# Altium PCB BEAGLEPLAYV020_220915.brd.PcbDoc (part 9 of 12)
Units mm, origin at the board's own origin, x right, y up, seen from the top; angles counter-clockwise.
Board outline 80 x 80 mm, 8 copper layers (TOP, LYR2_GND, LYR3, LAY4_PWR1, LAY5_PWR2, LAY6, LYR7_GND, BOTTOM), stack 1.545 mm thick; 782 components, 546 nets, 2864 pads, 2056 vias.
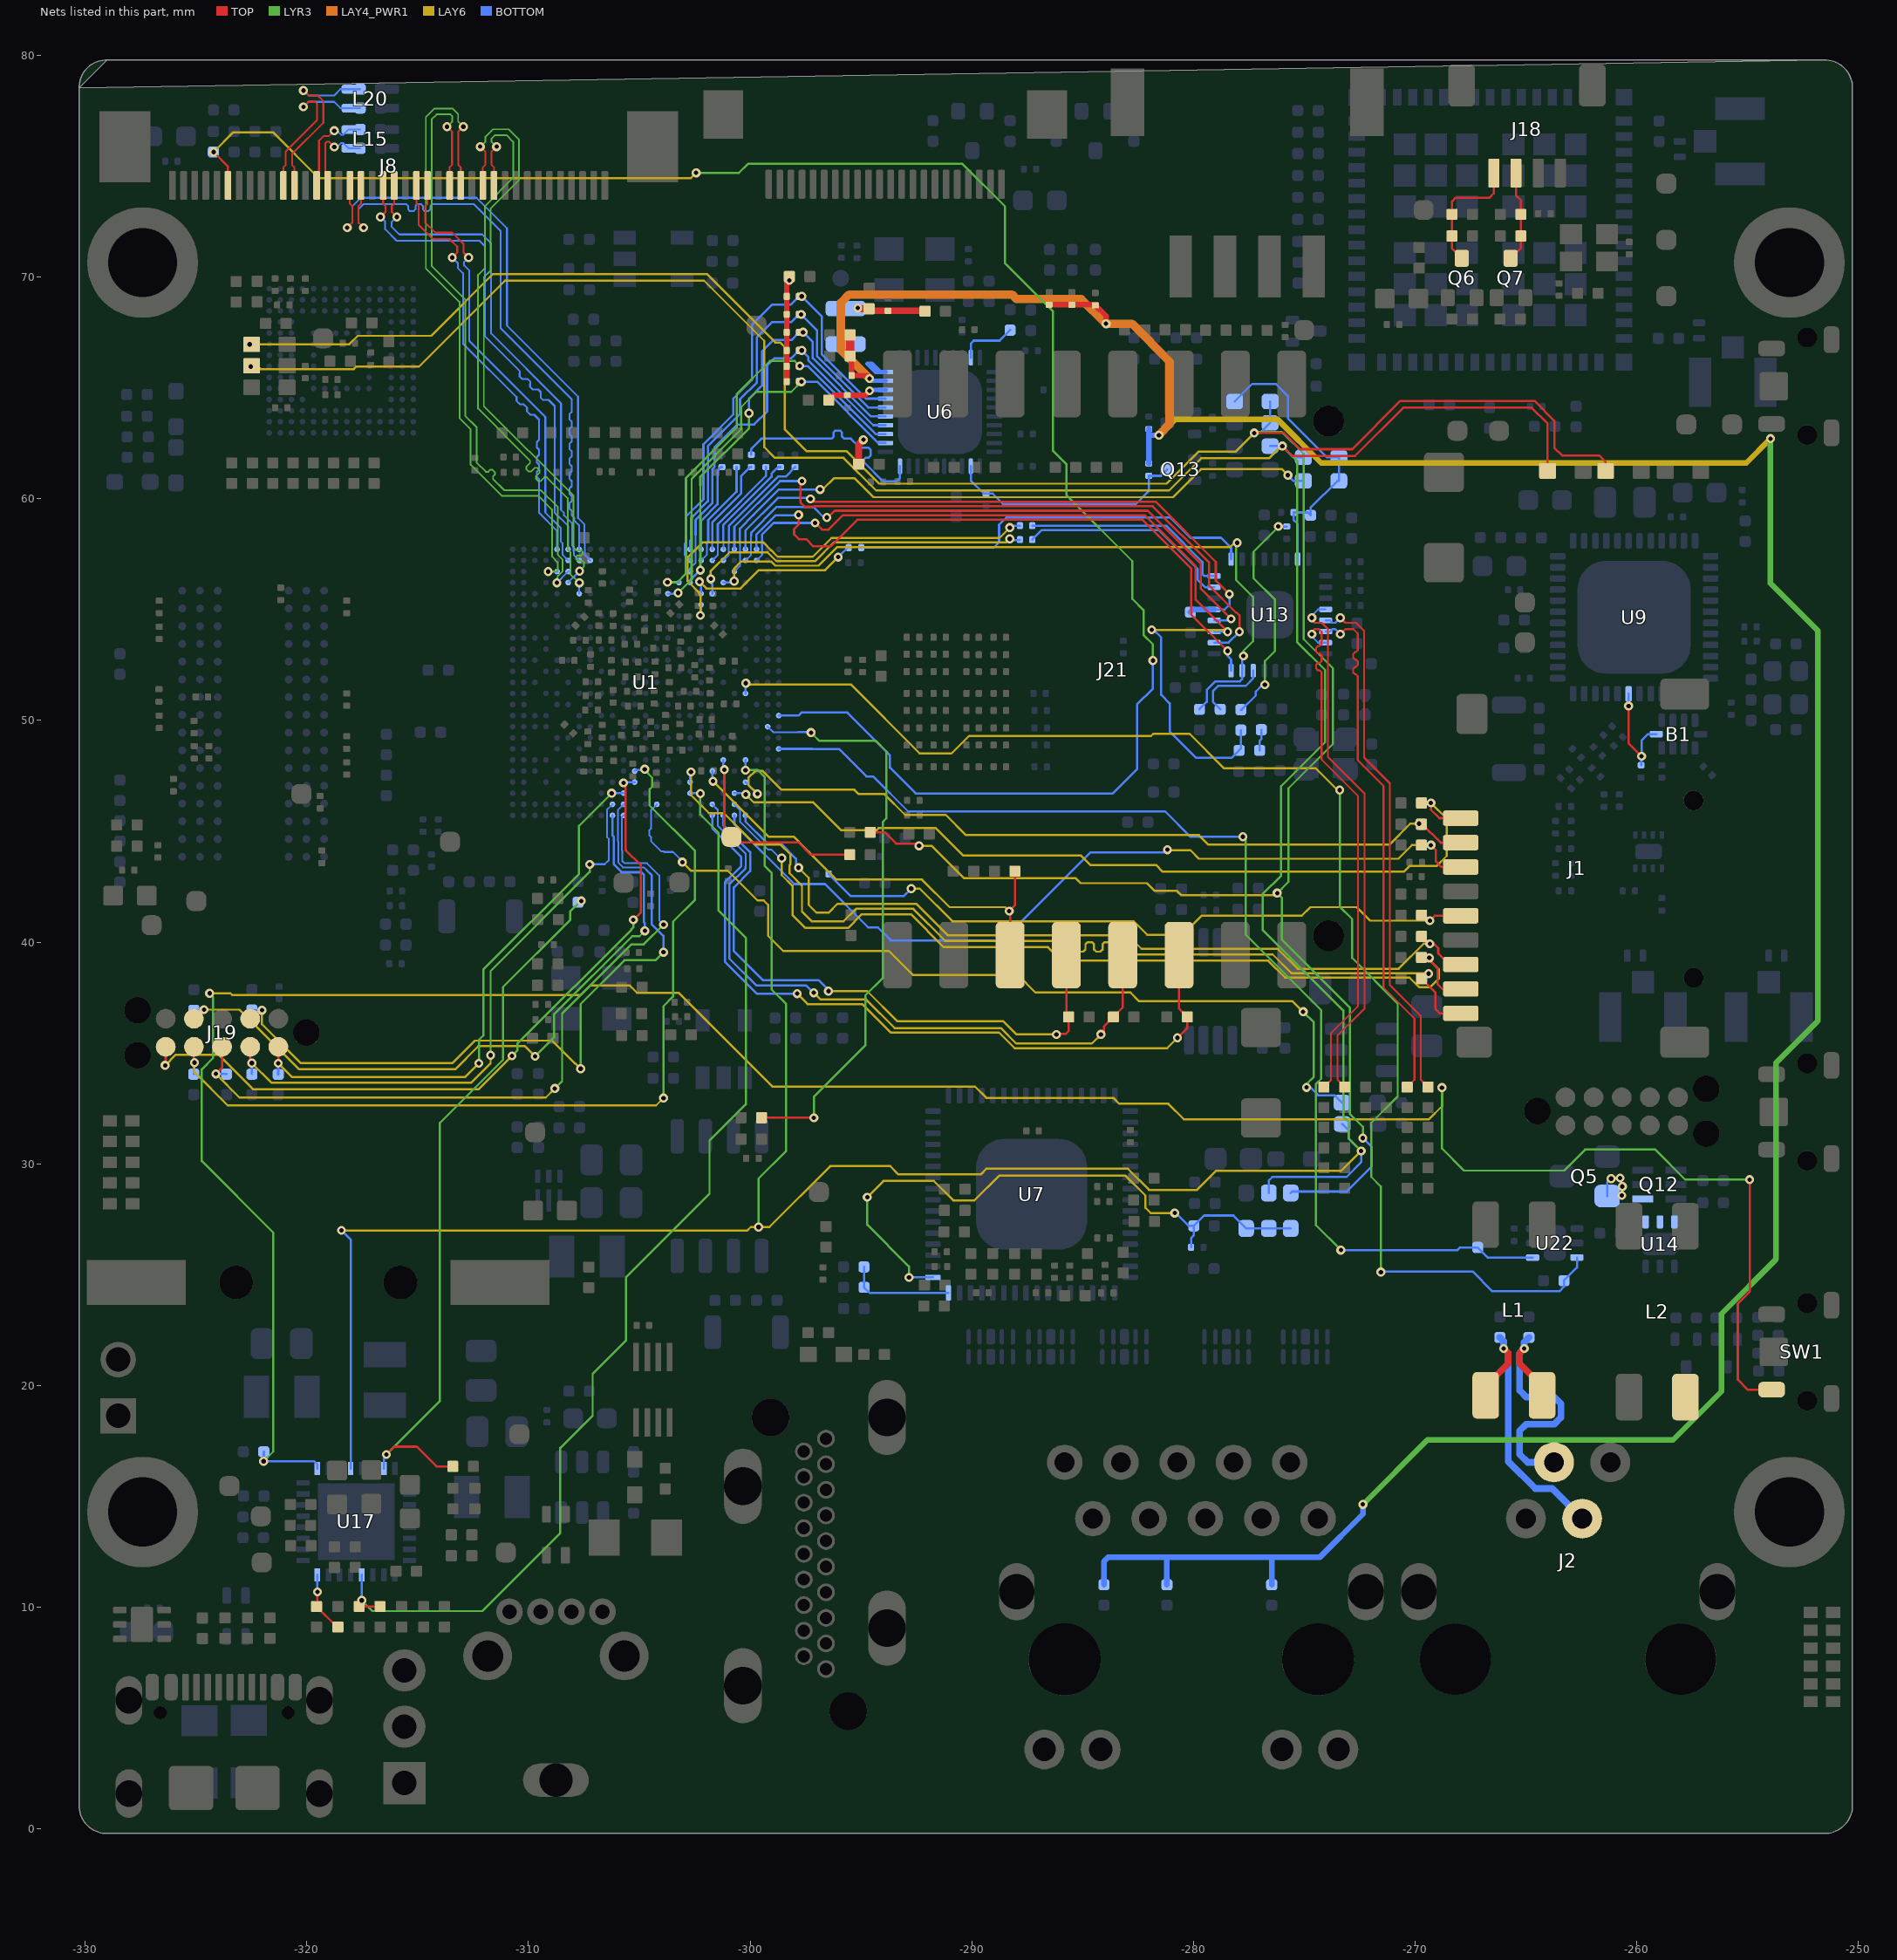
[diagram p15: the nets of this part, all layers, seen from the top]

## Via types
v1: diameter 0.406/0/0.406/0/0/0/0/0.406 (per signal layer), hole 0.203, TOP to BOTTOM, 334 vias
v2: diameter 0.406/0.406/0/0/0/0/0.406/0.406 (per signal layer), hole 0.203, TOP to BOTTOM, 282 vias
v3: diameter 0.406/0/0/0/0/0.406/0/0.406 (per signal layer), hole 0.203, TOP to BOTTOM, 255 vias
v4: diameter 0.406/0.406/0/0/0/0.406/0.406/0.406 (per signal layer), hole 0.203, TOP to BOTTOM, 253 vias
v5: diameter 0.406, hole 0.203, TOP to BOTTOM, 212 vias
v6: diameter 0.406/0.406/0.406/0/0/0.406/0.406/0.406 (per signal layer), hole 0.203, TOP to BOTTOM, 173 vias
v7: diameter 0.406/0/0/0.406/0/0/0/0.406 (per signal layer), hole 0.203, TOP to BOTTOM, 131 vias
v8: diameter 0.406/0/0/0/0.406/0/0/0.406 (per signal layer), hole 0.203, TOP to BOTTOM, 98 vias
v9: diameter 0.406/0.406/0/0.406/0/0/0.406/0.406 (per signal layer), hole 0.203, TOP to BOTTOM, 93 vias
v10: diameter 0.406/0/0.406/0/0/0.406/0/0.406 (per signal layer), hole 0.203, TOP to BOTTOM, 87 vias
v11: diameter 0.406/0.406/0/0.406/0/0.406/0.406/0.406 (per signal layer), hole 0.203, TOP to BOTTOM, 44 vias
v12: diameter 0.406/0.406/0.406/0.406/0/0.406/0.406/0.406 (per signal layer), hole 0.203, TOP to BOTTOM, 40 vias
v13: diameter 0.406/0.406/0.406/0/0/0/0.406/0.406 (per signal layer), hole 0.203, TOP to BOTTOM, 19 vias
v14: diameter 0.406/0/0/0.406/0/0.406/0/0.406 (per signal layer), hole 0.203, TOP to BOTTOM, 15 vias
v15: diameter 0.406/0/0/0/0.406/0.406/0/0.406 (per signal layer), hole 0.203, TOP to BOTTOM, 13 vias
v16: diameter 0.406/0/0.406/0/0.406/0/0/0.406 (per signal layer), hole 0.203, TOP to BOTTOM, 3 vias
v17: diameter 0.406/0/0.406/0.406/0/0/0/0.406 (per signal layer), hole 0.203, TOP to BOTTOM, 3 vias
v18: diameter 0.406/0.406/0.406/0.406/0/0/0.406/0.406 (per signal layer), hole 0.203, TOP to BOTTOM, 1 vias

## Nets (pads, with @x,y where several pads share a name; then routed paths per layer and width w, separated by ;. In a path a pad name is that pad's centre, name@x,y a point inside that pad or via, vN(x,y) a via of type N, cw(c..) or ccw(c..) an arc to the next point about the centre after c; other vN are vias at no path point) (continued)
OLDI0_A3_N: J8.12 U1.AB6 | length 27.7
  TOP w0.084: v1(-312.175,75.884) -311.95,75.659 -311.95,75.057 -312.056,74.95 J8.12@-312.056,74.131
  LYR3 w0.076: v1(-312.175,75.884) -311.937,76.122 -311.937,76.338 -311.61,76.665 -310.889,76.665 -310.431,76.207 -310.431,74.364 -311.701,73.094 -311.701,70.3 -312.014,69.988 -312.014,64.178 -307.97,60.135 -307.97,57.798 -307.848,57.676 -307.624,57.676 -307.565,57.617 -307.565,57.49 -307.619,57.435 -307.797,57.435 -307.848,57.385 -307.848,57.277 -307.772,57.201 -307.569,57.201 -307.492,57.125 -307.492,56.947 -307.695,56.744 v1(-307.695,56.735)
  BOTTOM w0.084: U1.AB6@-308.211,56.219 v1(-307.695,56.735)
OLDI0_A3_P: J8.11 U1.AA7 | length 27.7
  TOP w0.084: J8.11@-311.556,74.131 -311.556,74.95 -311.663,75.057 -311.663,75.659 v1(-311.438,75.884)
  LYR3 w0.076: v1(-311.438,75.884) -311.676,76.122 -311.676,76.229 -311.502,76.403 -310.998,76.403 -310.693,76.098 -310.693,74.473 -311.963,73.203 -311.963,70.409 -312.275,70.096 -312.275,64.07 -309.928,61.723 -309.928,61.615 -310.101,61.442 -310.101,61.334 -309.994,61.226 -309.886,61.226 -309.712,61.399 -309.605,61.399 -309.497,61.291 -309.497,61.184 -309.67,61.01 -309.67,60.903 -309.562,60.795 -309.455,60.795 -309.281,60.968 -309.173,60.968 -308.232,60.027 -308.232,57.712 -308.102,57.582 -308.102,56.584 -307.955,56.437 -307.933,56.437 v1(-307.709,56.212)
  BOTTOM w0.084: U1.AA7@-307.711,55.719 -307.711,56.21 v1(-307.709,56.212)
OLDI0_A4_N: J8.15 U1.AC6 | length 29.9
  TOP w0.084: v1(-313.675,76.784) -313.45,76.559 -313.45,75.056 -313.556,74.95 J8.15@-313.556,74.131
  LYR3 w0.076: v1(-313.675,76.784) -313.437,77.022 -313.437,77.253 -313.519,77.335 -314.141,77.335 -314.368,77.108 -314.368,70.503 -312.852,68.986 -312.852,63.746 -312.344,63.238 -312.344,61.638 -311.923,61.218 -311.816,61.218 -311.729,61.304 -311.621,61.304 -311.513,61.196 -311.513,61.089 -311.6,61.002 -311.6,60.894 -311.099,60.394 -309.448,60.394 -308.679,59.624 -308.679,57.472 -308.458,57.251 -308.458,56.736 -308.61,56.584 -308.677,56.532 v1(-308.72,56.211)
  BOTTOM w0.084: v1(-308.72,56.211) U1.AC6@-308.211,56.719
OLDI0_A4_P: J8.14 U1.AC5 | length 29.9
  TOP w0.084: J8.14@-313.056,74.131 -313.056,74.95 -313.163,75.056 -313.163,76.559 v1(-312.938,76.784)
  LYR3 w0.076: v1(-312.938,76.784) -313.175,77.022 -313.175,77.362 -313.411,77.597 -314.249,77.597 -314.63,77.216 -314.63,70.394 -313.113,68.878 -313.113,63.638 -312.605,63.13 -312.605,61.53 -311.208,60.132 -309.556,60.132 -308.94,59.516 -308.94,57.396 -308.681,57.137 -308.681,56.787 -308.748,56.719 v1(-309.109,56.719)
  BOTTOM w0.084: v1(-309.109,56.719) U1.AC5@-308.711,56.719
OLDI0_A5_N: J8.18 U1.AE5 | length 20.1
  TOP w0.084: J8.18@-315.056,74.131 -315.056,73.312 -314.95,73.206 -314.95,72.347 -314.317,71.714 -313.555,71.714 -313.215,71.374 -313.215,71.109 v5(-313.44,70.884)
  BOTTOM w0.081: -309.526,59.676 -309.526,59.657 -309.525,59.655 -309.525,59.557 -309.523,59.556 -309.523,59.365 -308.711,58.553 -308.711,58.045 ; U1.AE5@-308.711,57.719 -308.711,58.045
  BOTTOM w0.084: v5(-313.44,70.884) -313.19,70.634 -313.19,70.409 -312.953,70.173 -312.953,66.998 -310.54,64.584 -310.54,64.414 -310.388,64.262 -310.218,64.262 -310.065,64.11 -310.065,63.939 -309.913,63.787 -309.743,63.787 -309.526,63.57 -309.526,62.652 -309.626,62.552 -309.626,62.316 -309.526,62.216 -309.526,61.981 -309.626,61.881 -309.626,61.646 -309.526,61.546 -309.526,61.311 -309.626,61.21 -309.626,60.975 -309.526,60.875 -309.526,59.676
OLDI0_A5_P: J8.17 U1.AD6 | length 20.2
  TOP w0.084: J8.17@-314.556,74.131 -314.556,73.312 -314.663,73.206 -314.663,72.466 -314.198,72.001 -313.436,72.001 -312.928,71.493 -312.928,71.109 v5(-312.703,70.884)
  BOTTOM w0.081: -309.239,59.676 -309.239,59.379 -308.534,58.674 -308.534,58.062 -308.46,57.988 -308.46,57.469 U1.AD6@-308.211,57.22
  BOTTOM w0.084: v5(-312.703,70.884) -312.903,70.684 -312.903,70.528 -312.666,70.292 -312.666,67.117 -309.239,63.689 -309.239,59.676
OLDI0_A6_N: J8.21 U1.AE6 | length 22.7
  TOP w0.084: v5(-316.674,72.71) -316.45,72.935 -316.45,73.206 -316.556,73.312 J8.21@-316.556,74.131
  BOTTOM w0.081: -308.818,59.714 -308.818,59.695 -308.817,59.694 -308.817,59.596 -308.815,59.594 -308.815,59.38 -308.211,58.776 U1.AE6@-308.211,57.719
  BOTTOM w0.084: v5(-316.674,72.71) -316.466,72.502 -316.466,72.162 -315.943,71.638 -312.209,71.638 -311.97,71.4 -311.97,67.336 -310.397,65.763 -310.397,65.644 -310.402,65.639 -310.402,65.521 -310.284,65.402 -310.165,65.402 -310.16,65.407 -310.042,65.407 -309.923,65.288 -309.923,65.17 -309.928,65.165 -309.928,65.046 -309.809,64.927 -309.691,64.927 -309.686,64.933 -309.567,64.933 -309.448,64.814 -309.448,64.695 -309.454,64.69 -309.454,64.572 -309.335,64.453 -309.216,64.453 -309.211,64.458 -309.093,64.458 -308.818,64.183 -308.818,59.714
OLDI0_A6_P: J8.20 U1.AD7 | length 22.8
  TOP w0.084: J8.20@-316.056,74.131 -316.056,73.312 -316.163,73.206 -316.163,72.935 v5(-315.938,72.71)
  BOTTOM w0.081: -308.531,59.714 -308.531,59.497 -308.402,59.368 -308.402,59.253 -308.026,58.877 -308.026,57.886 -307.962,57.823 -307.962,57.628 -307.96,57.626 -307.96,57.469 U1.AD7@-307.711,57.22
  BOTTOM w0.084: v5(-315.938,72.71) -316.179,72.469 -316.179,72.281 -315.824,71.925 -312.09,71.925 -311.683,71.519 -311.683,67.455 -308.531,64.302 -308.531,59.714
OLDI0_A7_N: J8.24 U1.AD8 | length 27.3
  TOP w0.084: v5(-318.174,72.226) -317.95,72.451 -317.95,73.206 -318.056,73.312 J8.24@-318.056,74.131
  BOTTOM w0.081: -307.764,59.132 -307.487,58.855 -307.487,57.99 -307.46,57.962 -307.46,57.469 U1.AD8@-307.211,57.22
  BOTTOM w0.084: v5(-318.174,72.226) -317.95,72.451 -317.95,73.185 -317.558,73.576 -312.344,73.576 -310.972,72.205 -310.972,67.818 -307.764,64.61 -307.764,59.264 -307.764,59.132
OLDI0_A7_P: J8.23 U1.AE7 | length 27.3
  TOP w0.084: J8.23@-317.556,74.131 -317.556,73.312 -317.663,73.206 -317.663,72.451 v5(-317.438,72.226)
  BOTTOM w0.081: -307.943,59.09 -307.943,59.025 -307.882,58.964 -307.882,58.962 -307.711,58.791 U1.AE7@-307.711,57.719
  BOTTOM w0.084: v5(-317.438,72.226) -317.663,72.451 -317.663,73.065 -317.439,73.289 -315.516,73.289 -315.432,73.205 -315.432,73.058 -315.348,72.974 -315.181,72.974 -315.097,73.058 -315.097,73.205 -315.013,73.289 -314.845,73.289 -314.762,73.205 -314.762,73.058 -314.678,72.974 -314.51,72.974 -314.426,73.058 -314.426,73.205 -314.343,73.289 -312.463,73.289 -311.259,72.085 -311.259,67.699 -308.051,64.491 -308.051,63.919 -308.153,63.817 -308.153,63.584 -308.051,63.482 -308.051,63.248 -308.153,63.147 -308.153,62.913 -308.051,62.811 -308.051,62.578 -308.153,62.476 -308.153,62.242 -308.051,62.141 -308.051,61.907 -308.153,61.806 -308.153,61.572 -308.051,61.47 -308.051,61.237 -308.153,61.135 -308.153,60.901 -308.051,60.8 -308.051,60.566 -308.153,60.464 -308.153,60.231 -308.051,60.129 -308.051,59.895 -308.153,59.794 -308.153,59.56 -308.051,59.459 -308.051,59.251 -307.943,59.142 -307.943,59.09
OLDI0_CLK0_N: J8.27 L15.2 R225.2 | length 4.3
  TOP w0.084: J8.27@-319.556,74.131 -319.556,74.645 -319.45,74.752 -319.45,76.153 -319.238,76.365 -319,76.365 v5(-318.764,76.601)
  BOTTOM w0.084: v5(-318.764,76.601) -318.637,76.601 -318.461,76.425 -318.342,76.425 -318.109,76.658 L15.2@-318.06,76.658 R225.2@-317.597,76.658
OLDI0_CLK0_P: J8.26 L15.3 R219.2 | length 3.8
  TOP w0.084: J8.26@-319.056,74.131 -319.056,74.645 -319.163,74.752 -319.163,76.034 -319.095,76.101 -319,76.101 v5(-318.764,75.865)
  BOTTOM w0.084: v5(-318.764,75.865) -318.637,75.865 -318.461,76.041 -318.342,76.041 -318.109,75.808 L15.3@-318.06,75.808 R219.2@-317.597,75.808
OLDI0_CLK1_N: J8.30 L20.3 R265.2 | length 7.8
  TOP w0.084: J8.30@-321.056,74.131 -321.056,74.95 -320.95,75.057 -320.95,75.671 -319.54,77.081 -319.54,77.82 -319.623,77.903 -319.927,77.903 v5(-320.152,77.679)
  BOTTOM w0.084: v5(-320.152,77.679) -319.927,77.903 -318.767,77.903 -318.486,77.622 L20.3@-318.056,77.622 R265.2@-317.593,77.622
OLDI0_CLK1_P: J8.29 L20.2 R264.2 | length 8.3
  TOP w0.084: J8.29@-320.556,74.131 -320.556,74.95 -320.663,75.057 -320.663,75.552 -319.253,76.962 -319.253,77.939 -319.504,78.19 -319.927,78.19 v5(-320.152,78.415)
  BOTTOM w0.084: v5(-320.152,78.415) -319.927,78.19 -318.767,78.19 -318.486,78.472 L20.2@-318.056,78.472 R264.2@-317.593,78.472
PCADR: R146.2 R147.1 U7.32 | length 4.8
  BOTTOM w0.102: R146.2@-294.865,25.353 -294.862,25.35 R147.1@-294.862,24.431 -294.612,24.181 U7.32@-291.055,24.181
PHY_DVDD3V3: C91.1 C92.1 FB29.2 R34.1 R37.1 R39.1 R164.1 R262.1 R283.2 R309.2 R311.2 U6.29 | length 142
  TOP w0.254: C91.1@-295.493,66.436 -295.427,66.37 C92.1@-295.427,65.56 -294.75,65.56 v7(-294.615,65.425) ; R283.2@-286.512,68.753 R309.2@-285.486,68.753 -284.455,68.753 R311.2@-284.429,68.728 -283.947,68.245 v7(-283.947,67.894)
  TOP w0.305: v7(-294.615,65.425) v7@-294.589,65.45
  TOP w0.381: C91.1@-295.493,66.436 -295.493,67.391 FB29.2@-295.491,67.393
  LYR3 w0.254: v1(-272.359,14.643) -269.451,17.551 -258.369,17.551 -256.184,19.736 -256.184,23.241 -253.718,25.707 -253.718,34.572 -251.841,36.449 -251.841,54.051 -253.975,56.185 v10(-253.975,62.713)
  LAY4_PWR1 w0.381: v7(-294.615,65.425) -295.91,66.72 -295.91,68.834 -295.529,69.215 -288.188,69.215 -287.985,69.012 -285.064,69.012 v7(-283.947,67.894) -282.778,67.894 -281.076,66.192 -281.076,63.373 -281.559,62.89 v14(-281.559,62.865)
  LAY6 w0.254: v14(-281.559,62.865) -280.848,63.576 -276.2,63.576 -274.244,61.62 -255.067,61.62 v10(-253.975,62.713)
  BOTTOM w0.203: v7(-294.615,65.425) -294.507,65.317 U6.29@-293.893,65.317
  BOTTOM w0.254: R39.1@-284.041,11.017 -284.041,12.073 -283.861,12.252 -281.203,12.252 ; R37.1@-282.02,61.595 -282.02,62.89 ; R262.1@-282.02,63.144 -282.02,62.89 ; v14(-281.559,62.865) -281.995,62.865 -282.02,62.89 ; R164.1@-281.2,11.017 -281.2,12.249 -281.203,12.252 ; R34.1@-276.475,11.017 -276.475,12.205 -276.428,12.252 ; v1(-272.359,14.643) -272.359,14.204 -274.31,12.252 -276.428,12.252 ; -281.203,12.252 -276.428,12.252
PHY_VDD1V0: C299.1 C300.1 FB30.2 FB31.1 L19.2 | length 4.3
  TOP w0.305: v7(-295.148,68.605) -295.111,68.568 C299.1@-294.637,68.568 -294.549,68.48 C300.1@-293.78,68.48 -292.129,68.48 FB30.2@-292.113,68.464 ; FB31.1@-295.106,61.56 -295.106,62.449 v7(-294.894,62.662)
PHY_VDDIO: C95.1 C107.1 R32.1 R42.2 R44.2 R46.2 R48.2 R62.2 R252.2 U6.28 | length 7.7
  TOP w0.254: R48.2@-298.348,65.278 -298.348,65.976 R42.2@-298.352,65.979 R44.2@-298.352,66.69 R46.2@-298.352,67.503 R252.2@-298.352,68.316 R62.2@-298.352,69.129 -298.352,69.905 R32.1@-298.232,70.025 ; C95.1@-296.458,64.45 -296.239,64.668 C107.1@-295.615,64.668 -294.819,64.668 v7(-294.615,64.873)
  TOP w0.381: v7(-298.232,69.85) R32.1@-298.232,70.025
  BOTTOM w0.203: v7(-294.615,64.873) -294.569,64.917 U6.28@-293.893,64.917
PHYRSTB: C90.2 Q13.3 R37.2 U6.12 | length 11
  BOTTOM w0.102: U6.12@-290.043,61.467 -290.043,60.827 -289.455,60.239 C90.2@-289.357,60.239 -289.067,60.239 -288.595,59.766 -282.6,59.766 -282.02,60.347 R37.2@-282.02,61.036 -281.472,61.036 Q13.3@-281.192,61.316
PMIC_GPIO: R214.2 R215.1 U17.16 | length 2.8
  TOP w0.102: v5(-319.522,10.693) -319.522,10.075 R215.1@-319.561,10.035 -318.637,9.111 R214.2@-318.596,9.111
  BOTTOM w0.102: v5(-319.522,10.693) U17.16@-319.522,11.463
PMIC_LPM_EN0: R227.2 R228.2 U17.31 | length 32.8
  TOP w0.102: v1(-316.408,16.891) -316.052,17.247 -315.036,17.247 -314.147,16.358 R228.2@-313.416,16.358
  LYR3 w0.097: v1(-316.408,16.891) -313.995,19.304 -313.995,31.852 -311.15,34.696 -311.15,37.973 -308.127,40.996 -308.127,41.377 -307.645,41.859 v1(-307.619,41.859)
  BOTTOM w0.102: U17.31@-316.522,16.263 -316.522,16.777 v1(-316.408,16.891)
PO_5V: L2.4 Q5.2 Q12.4 U14.4 U14.5 U14.6 | length 0.9
  BOTTOM w0.102: Q5.2@-261.341,28.552 -261.341,29.159 v5(-261.163,29.337)
  other v5: -260.68,28.575 -260.655,28.981 -260.756,29.362
PO_EN: R278.1 U1.G25 U22.4 | length 52.1
  LYR3 w0.097: v1(-277.774,44.755) -277.647,44.628 -277.647,40.339 -274.244,36.935 -274.244,33.841 -274.472,33.612 -274.472,27.229 v1(-273.355,26.111)
  BOTTOM w0.102: U1.G25@-298.711,48.719 -297.195,48.719 -297.188,48.712 -295.992,48.712 -294.753,47.473 -294.447,47.473 -292.873,45.898 -281.28,45.898 -280.137,44.755 v1(-277.774,44.755) ; v1(-273.355,26.111) -268.097,26.111 -267.975,26.233 R278.1@-267.183,26.233 -266.73,25.78 U22.4@-264.703,25.78
PO_OCN: R207.2 U1.M22 U22.3 | length 63.8
  LYR3 w0.097: v10(-273.406,46.863) -273.406,41.605 -272.847,41.046 -272.847,39.294 -270.792,37.239 -270.792,33.043 -271.983,31.852 -271.983,29.413 -271.551,28.981 v1(-271.551,25.121)
  LAY6 w0.097: -297.104,51.627 -295.467,51.627 -292.354,48.514 -292.207,48.514 -292.206,48.513 -290.915,48.513 -290.127,49.301 -281.915,49.301 -281.813,49.403 -280.187,49.403 -278.638,47.854 -274.498,47.854 -273.507,46.863 v10(-273.406,46.863)
  LAY6 w0.102: v3(-300.197,51.679) -300.144,51.627 -297.104,51.627
  BOTTOM w0.102: U1.M22@-300.211,51.22 -300.211,51.665 v3(-300.197,51.679) ; v1(-271.551,25.121) -271.526,25.146 -267.411,25.146 -266.522,24.257 -263.5,24.257 -263.291,24.466 R207.2@-263.291,24.736 -262.703,25.324 U22.3@-262.703,25.78
PORZ_OUT: D11.2 D33.2 D34.2 D47.2 D59.2 R149.2 | length 136.9
  TOP w0.102: v3(-322.58,66.964) D47.2@-322.491,66.964 ; R149.2@-294.584,44.957 -293.928,44.957 -293.421,44.45 -292.481,44.45 v3(-292.379,44.348) ; v10(-277.266,62.967) -275.92,62.967 -275.189,62.236 -272.846,62.236 -270.667,64.414 -264.618,64.414 -263.723,63.52 -263.723,62.301 -263.373,61.951 -261.696,61.951 -261.41,61.664 D11.2@-261.41,61.256 D11.2@-261.442,61.288
  LYR3 w0.097: v10(-277.266,62.967) -277.225,63.008 -276.012,63.008 -275.031,62.027 -275.031,53.67 -273.71,52.349 -273.71,48.946 -275.717,46.939 -275.717,42.723 v10(-276.225,42.215) -276.022,42.012 -276.022,40.122 -272.948,37.048 -272.948,32.258 -272.364,31.674 v1(-272.364,31.166)
  LAY6 w0.097: v3(-322.58,66.964) -319.202,66.964 -319.196,66.97 -318.078,66.97 -317.697,67.351 -314.386,67.351 -311.6,70.137 -301.954,70.137 -298.871,67.053 -298.65,67.053 -298.443,66.847 -298.443,63.138 -297.459,62.154 -295.656,62.154 -294.183,60.681 -281.221,60.681 -279.778,62.123 -278.11,62.123 v10(-277.266,62.967) ; v3(-292.379,44.348) -291.815,44.348 -290.362,42.896 -285.329,42.896 -285.095,42.662 -282.108,42.662 -281.767,42.321 -280.759,42.321 -280.551,42.113 -276.327,42.113 v10(-276.225,42.215)
  BOTTOM w0.102: v10(-277.266,62.967) -277.004,62.967 D33.2@-276.546,63.424 D34.2@-276.546,64.389 ; D59.2@-275.615,28.689 -275.552,28.753 -273.101,28.753 -271.958,29.896 -271.958,30.759 v1(-272.364,31.166)
PSE_N: C16.1 J2.4 L1.3 | length 12.8
  TOP w0.305: L1.3@-266.818,19.56 -266.818,19.975 -265.802,20.991 -265.802,21.463 v5(-266.014,21.675)
  BOTTOM w0.305: C16.1@-266.184,22.172 -266.014,22.003 v5(-266.014,21.675) -265.802,21.463 -265.802,16.578 -264.586,15.361 -263.829,15.361 J2.4@-262.469,14
PSE_P: C17.1 J2.3 L1.4 | length 12.8
  TOP w0.305: v5(-265.083,21.675) -265.294,21.463 -265.294,20.991 -264.278,19.975 L1.4@-264.278,19.56
  BOTTOM w0.305: C17.1@-264.871,22.172 -265.083,21.961 v5(-265.083,21.675) -265.294,21.463 -265.294,19.787 -264.99,19.483 -263.728,19.483 -263.423,19.178 -263.423,18.568 -263.728,18.263 -264.99,18.263 -265.294,17.959 -265.294,16.908 -264.927,16.54 J2.3@-263.739,16.54
PWR_BTN: R161.2 SW1.2 U17.25 | length 114.3
  TOP w0.102: v1(-254.914,29.291) -254.914,24.232 -255.448,23.698 -255.448,20.269 -254.991,19.812 -253.933,19.812 SW1.2@-253.924,19.821
  LYR3 w0.097: v10(-324.383,37.694) -324.231,37.541 -324.231,34.773 -324.739,34.265 -324.739,30.124 -321.513,26.899 -321.513,17.018 v1(-321.945,16.586) ; v10(-268.796,33.44) -268.796,30.696 -267.797,29.698 -263.284,29.698 -262.334,30.648 -259.172,30.648 -257.816,29.291 v1(-254.914,29.291)
  LAY6 w0.097: v10(-324.383,37.694) -323.444,37.694 -323.372,37.622 -307.64,37.622 -307.213,38.049 -305.435,38.049 -305.107,37.722 -303.231,37.722 -299.002,33.492 -289.864,33.492 -289.349,32.977 -283.621,32.977 -283.354,32.71 -281.135,32.71 -280.439,32.014 -269.382,32.014 -268.796,32.601 v10(-268.796,33.44)
  BOTTOM w0.102: R161.2@-321.94,17.018 -321.94,16.592 v1(-321.945,16.586) -319.659,16.586 -319.522,16.449 U17.25@-319.522,16.263
QWIIC_SCL: D30.2 J18.4 Q6.3 R255.2 | length 5.7
  TOP w0.102: Q6.3@-267.898,70.846 -268.34,71.288 R255.2@-268.34,71.853 D30.2@-268.34,72.83 -268.34,73.417 -268.173,73.584 -266.649,73.584 -266.453,73.78 J18.4@-266.453,74.693
QWIIC_SDA: D29.2 J18.3 Q7.3 R254.2 | length 4.1
  TOP w0.102: Q7.3@-265.697,70.846 -265.234,71.308 R254.2@-265.234,71.853 D29.2@-265.234,72.83 -265.234,73.464 -265.453,73.683 J18.3@-265.453,74.693
REGOUT: L19.1 U6.30 | length 1.7
  BOTTOM w0.203: U6.30@-293.893,65.717 U6.30@-294.139,65.717 ; U6.30@-294.139,65.717 -294.513,66.091 -294.706,66.091 -294.332,65.717 U6.30@-294.139,65.717
RESET_REQZ: R122.2 TP2.1 U1.F20 | length 9.3
  TOP w0.102: v5(-301.165,47.782) -301.165,45.066 TP2.1@-300.843,44.744 -300.6,44.501 -297.815,44.501 -297.262,43.947 R122.2@-295.509,43.947
  BOTTOM w0.102: U1.F20@-301.211,48.219 -301.211,47.828 v5(-301.165,47.782)
RESETN: C274.1 D35.1 D58.1 D59.1 R150.2 U7.33 | length 28.4
  LYR3 w0.097: v10(-294.716,28.499) -294.716,27.254 -292.837,25.375 v1(-292.837,24.881)
  LAY6 w0.097: v10(-294.716,28.499) -293.987,29.228 -291.712,29.228 -290.839,28.356 -289.881,28.356 -288.757,29.479 -283.082,29.479 -282.169,28.565 -282.169,28.016 -281.937,27.785 v3(-280.848,27.785)
  BOTTOM w0.102: v1(-292.837,24.881) U7.33@-291.755,24.881 ; v3(-280.848,27.785) -280.797,27.785 -280.215,27.203 R150.2@-279.99,27.203 ; C274.1@-280.111,26.238 -280.111,26.654 -279.99,26.775 R150.2@-279.99,27.203 ; D59.1@-275.615,27.089 D35.1@-276.606,27.089 D58.1@-277.622,27.089 -278.204,27.671 -279.521,27.671 R150.2@-279.99,27.203
RESETSTATZ: D12.2 D35.2 D46.2 D48.2 D51.2 D54.2 U1.F22 U17.28 | length 197.9
  TOP w0.102: v3(-322.528,65.963) D48.2@-322.491,66 ; v10(-275.993,62.379) -275.545,61.931 -272.72,61.931 -270.541,64.11 -264.744,64.11 -264.028,63.393 D12.2@-264.028,61.256

## Text inside footprints (layer, text, board x,y; h text height)
U1: PIN_NUMBER "F6" at -308.414,48.219 h0.25; PIN_NUMBER "AE2" at -310.516,57.719 h0.25; PIN_NUMBER "B1" at -310.914,46.219 h0.25; PIN_NUMBER "A2" at -310.414,45.719 h0.25; PIN_NUMBER "C20" at -301.516,46.719 h0.25; PIN_NUMBER "T2" at -310.414,53.22 h0.25; PIN_NUMBER "U4" at -309.414,53.719 h0.25; PIN_NUMBER "N2" at -310.414,51.719 h0.25; PIN_NUMBER "J4" at -309.414,49.719 h0.25; PIN_NUMBER "K2" at -310.414,50.219 h0.25; PIN_NUMBER "J3" at -309.914,49.719 h0.25; PIN_NUMBER "A7" at -307.914,45.719 h0.25; PIN_NUMBER "E8" at -307.414,47.719 h0.25; PIN_NUMBER "D9" at -306.914,47.22 h0.25; PIN_NUMBER "C9" at -306.914,46.719 h0.25; PIN_NUMBER "AA12" at -305.617,55.719 h0.25; PIN_NUMBER "Y15" at -304.016,55.22 h0.25; PIN_NUMBER "C6" at -308.414,46.719 h0.25; PIN_NUMBER "A4" at -309.414,45.719 h0.25; PIN_NUMBER "E7" at -307.914,47.719 h0.25; PIN_NUMBER "AD21" at -301.118,57.22 h0.25; PIN_NUMBER "AC20" at -301.617,56.719 h0.25; PIN_NUMBER "AA2" at -310.516,55.719 h0.25; PIN_NUMBER "AA1" at -311.016,55.719 h0.25; PIN_NUMBER "AA3" at -310.016,55.719 h0.25; PIN_NUMBER "Y4" at -309.414,55.22 h0.25; PIN_NUMBER "AB2" at -310.516,56.219 h0.25; PIN_NUMBER "AC1" at -311.016,56.719 h0.25; PIN_NUMBER "K10" at -306.516,50.219 h0.25; PIN_NUMBER "H9" at -306.914,49.22 h0.25; PIN_NUMBER "M19" at -302.016,51.22 h0.25; PIN_NUMBER "L18" at -302.516,50.719 h0.25; PIN_NUMBER "G14" at -304.516,48.719 h0.25; PIN_NUMBER "F15" at -304.016,48.219 h0.25; PIN_NUMBER "Y13" at -305.016,55.22 h0.25; PIN_NUMBER "AD2" at -310.516,57.22 h0.25; PIN_NUMBER "AC2" at -310.516,56.719 h0.25; PIN_NUMBER "M2" at -310.414,51.22 h0.25; PIN_NUMBER "D14" at -304.516,47.22 h0.25; PIN_NUMBER "G9" at -306.914,48.719 h0.25; PIN_NUMBER "L21" at -301.016,50.719 h0.25; PIN_NUMBER "E14" at -304.516,47.719 h0.25; PIN_NUMBER "H11" at -306.016,49.22 h0.25; PIN_NUMBER "M25" at -299.016,51.22 h0.25; PIN_NUMBER "J19" at -302.016,49.719 h0.25; PIN_NUMBER "H17" at -303.016,49.22 h0.25; PIN_NUMBER "U7" at -307.914,53.719 h0.25; PIN_NUMBER "P19" at -302.016,52.219 h0.25; PIN_NUMBER "M22" at -300.516,51.22 h0.25; PIN_NUMBER "W17" at -303.016,54.719 h0.25; PIN_NUMBER "K18" at -302.516,50.219 h0.25; PIN_NUMBER "H15" at -304.016,49.22 h0.25; PIN_NUMBER "G25" at -299.016,48.719 h0.25; PIN_NUMBER "AB24" at -299.617,56.219 h0.25; PIN_NUMBER "AC25" at -299.118,56.719 h0.25; PIN_NUMBER "Y20" at -301.516,55.22 h0.25; PIN_NUMBER "N20" at -301.516,51.719 h0.25; PIN_NUMBER "V8" at -307.414,54.219 h0.25; PIN_NUMBER "V17" at -303.016,54.219 h0.25; PIN_NUMBER "V15" at -304.016,54.219 h0.25; PIN_NUMBER "U12" at -305.516,53.719 h0.25; PIN_NUMBER "R14" at -304.516,52.719 h0.25; PIN_NUMBER "R11" at -306.016,52.719 h0.25; PIN_NUMBER "P17" at -303.016,52.219 h0.25; PIN_NUMBER "N8" at -307.414,51.719 h0.25; PIN_NUMBER "N13" at -305.016,51.719 h0.25; PIN_NUMBER "N11" at -306.016,51.719 h0.25; PIN_NUMBER "M16" at -303.516,51.22 h0.25; PIN_NUMBER "L15" at -304.016,50.719 h0.25; PIN_NUMBER "L12" at -305.516,50.719 h0.25; PIN_NUMBER "K17" at -303.016,50.219 h0.25; PIN_NUMBER "J14" at -304.516,49.719 h0.25; PIN_NUMBER "J11" at -306.016,49.719 h0.25; PIN_NUMBER "H8" at -307.414,49.22 h0.25; PIN_NUMBER "J24" at -299.516,49.719 h0.25; PIN_NUMBER "U14" at -304.516,53.719 h0.25; PIN_NUMBER "T10" at -306.516,53.22 h0.25; PIN_NUMBER "R12" at -305.516,52.719 h0.25; PIN_NUMBER "N14" at -304.516,51.719 h0.25; PIN_NUMBER "N12" at -305.516,51.719 h0.25; PIN_NUMBER "K16" at -303.516,50.219 h0.25; PIN_NUMBER "J12" at -305.516,49.719 h0.25; PIN_NUMBER "P16" at -303.516,52.219 h0.25; PIN_NUMBER "AD11" at -306.117,57.22 h0.25; PIN_NUMBER "L11" at -306.016,50.719 h0.25; PIN_NUMBER "W13" at -305.016,54.719 h0.25; PIN_NUMBER "AE11" at -306.117,57.719 h0.25; PIN_NUMBER "J8" at -307.414,49.719 h0.25; PIN_NUMBER "G7" at -307.914,48.719 h0.25; PIN_NUMBER "G16" at -303.516,48.719 h0.25; PIN_NUMBER "T9" at -306.914,53.22 h0.25; PIN_NUMBER "W14" at -304.516,54.719 h0.25; PIN_NUMBER "Y11" at -306.016,55.22 h0.25; PIN_NUMBER "A21" at -301.016,45.719 h0.25; PIN_NUMBER "W9" at -306.914,54.719 h0.25; PIN_NUMBER "W10" at -306.516,54.719 h0.25; PIN_NUMBER "C21" at -301.016,46.719 h0.25; PIN_NUMBER "H10" at -306.516,49.22 h0.25; PIN_NUMBER "D22" at -300.516,47.22 h0.25; PIN_NUMBER "C2" at -310.414,46.719 h0.25; PIN_NUMBER "C1" at -310.914,46.719 h0.25; PIN_NUMBER "B21" at -301.016,46.219 h0.25; PIN_NUMBER "E24" at -299.516,47.719 h0.25; PIN_NUMBER "A22" at -300.516,45.719 h0.25; PIN_NUMBER "AC24" at -299.617,56.719 h0.25; PIN_NUMBER "H21" at -301.016,49.22 h0.25; PIN_NUMBER "B17" at -303.016,46.219 h0.25; PIN_NUMBER "A17" at -303.016,45.719 h0.25; PIN_NUMBER "F20" at -301.516,48.219 h0.25; PIN_NUMBER "A18" at -302.516,45.719 h0.25; PIN_NUMBER "E11" at -306.016,47.719 h0.25; PIN_NUMBER "C25" at -299.016,46.719 h0.25; PIN_NUMBER "E23" at -300.016,47.719 h0.25; PIN_NUMBER "D24" at -299.516,47.22 h0.25; PIN_NUMBER "G10" at -306.516,48.719 h0.25; PIN_NUMBER "G12" at -305.516,48.719 h0.25; PIN_NUMBER "F11" at -306.016,48.219 h0.25; PIN_NUMBER "J18" at -302.516,49.719 h0.25; PIN_NUMBER "T7" at -307.914,53.22 h0.25; PIN_NUMBER "U18" at -302.516,53.719 h0.25; PIN_NUMBER "T19" at -302.016,53.22 h0.25; PIN_NUMBER "P18" at -302.516,52.219 h0.25; PIN_NUMBER "N18" at -302.516,51.719 h0.25; PIN_NUMBER "W19" at -302.016,54.719 h0.25; PIN_NUMBER "W16" at -303.516,54.719 h0.25; PIN_NUMBER "D1" at -310.914,47.22 h0.25; PIN_NUMBER "B12" at -305.516,46.219 h0.25; PIN_NUMBER "B24" at -299.516,46.219 h0.25; PIN_NUMBER "AE9" at -307.016,57.719 h0.25; PIN_NUMBER "AD10" at -306.618,57.22 h0.25; PIN_NUMBER "C24" at -299.516,46.719 h0.25; PIN_NUMBER "V25" at -299.016,54.219 h0.25; PIN_NUMBER "K22" at -300.516,50.219 h0.25; PIN_NUMBER "M21" at -301.016,51.22 h0.25; PIN_NUMBER "K24" at -299.516,50.219 h0.25; PIN_NUMBER "A8" at -307.414,45.719 h0.25; PIN_NUMBER "D10" at -306.516,47.22 h0.25; PIN_NUMBER "A20" at -301.516,45.719 h0.25; PIN_NUMBER "E19" at -302.016,47.719 h0.25; PIN_NUMBER "B19" at -302.016,46.219 h0.25; PIN_NUMBER "B8" at -307.414,46.219 h0.25; PIN_NUMBER "A19" at -302.016,45.719 h0.25; PIN_NUMBER "U11" at -306.016,53.719 h0.25; PIN_NUMBER "G17" at -303.016,48.719 h0.25; PIN_NUMBER "W12" at -305.516,54.719 h0.25; PIN_NUMBER "AE10" at -306.618,57.719 h0.25; PIN_NUMBER "AC9" at -307.016,56.719 h0.25; PIN_NUMBER "U15" at -304.016,53.719 h0.25; PIN_NUMBER "F8" at -307.414,48.219 h0.25; PIN_NUMBER "B9" at -306.914,46.219 h0.25; PIN_NUMBER "A9" at -306.914,45.719 h0.25; PIN_NUMBER "M9" at -306.914,51.22 h0.25; PIN_NUMBER "R8" at -307.414,52.719 h0.25; PIN_NUMBER "P9" at -306.914,52.219 h0.25; PIN_NUMBER "L8" at -307.414,50.719 h0.25; PIN_NUMBER "K9" at -306.914,50.219 h0.25; PIN_NUMBER "B20" at -301.516,46.219 h0.25; PIN_NUMBER "B18" at -302.516,46.219 h0.25; PIN_NUMBER "D20" at -301.516,47.22 h0.25; PIN_NUMBER "E18" at -302.516,47.719 h0.25; PIN_NUMBER "T1" at -310.914,53.22 h0.25; PIN_NUMBER "D4" at -309.414,47.22 h0.25; PIN_NUMBER "N1" at -310.914,51.719 h0.25; PIN_NUMBER "E5" at -308.914,47.719 h0.25; PIN_NUMBER "L14" at -304.516,50.719 h0.25; PIN_NUMBER "A6" at -308.414,45.719 h0.25; PIN_NUMBER "V1" at -310.914,54.219 h0.25; PIN_NUMBER "B6" at -308.414,46.219 h0.25; PIN_NUMBER "M1" at -310.914,51.22 h0.25; PIN_NUMBER "N3" at -309.914,51.719 h0.25; PIN_NUMBER "K4" at -309.414,50.219 h0.25; PIN_NUMBER "F23" at -300.016,48.219 h0.25; PIN_NUMBER "G21" at -301.016,48.719 h0.25; PIN_NUMBER "V6" at -308.414,54.219 h0.25; PIN_NUMBER "F1" at -310.914,48.219 h0.25; PIN_NUMBER "M5" at -308.914,51.22 h0.25; PIN_NUMBER "L5" at -308.914,50.719 h0.25; PIN_NUMBER "AE19" at -302.118,57.719 h0.25; PIN_NUMBER "AD18" at -302.618,57.22 h0.25; PIN_NUMBER "U2" at -310.414,53.719 h0.25; PIN_NUMBER "AE17" at -303.118,57.719 h0.25; PIN_NUMBER "K3" at -309.914,50.219 h0.25; PIN_NUMBER "AB16" at -303.617,56.219 h0.25; PIN_NUMBER "K1" at -310.914,50.219 h0.25; PIN_NUMBER "AA15" at -304.118,55.719 h0.25; PIN_NUMBER "AD19" at -302.118,57.22 h0.25; PIN_NUMBER "W2" at -310.414,54.719 h0.25; PIN_NUMBER "AE18" at -302.618,57.719 h0.25; PIN_NUMBER "V5" at -308.914,54.219 h0.25; PIN_NUMBER "AD20" at -301.617,57.22 h0.25; PIN_NUMBER "R1" at -310.914,52.719 h0.25; PIN_NUMBER "AE20" at -301.617,57.719 h0.25; PIN_NUMBER "L2" at -310.414,50.719 h0.25; PIN_NUMBER "AB17" at -303.118,56.219 h0.25; PIN_NUMBER "AD17" at -303.118,57.22 h0.25; PIN_NUMBER "P2" at -310.414,52.219 h0.25; PIN_NUMBER "AC17" at -303.118,56.719 h0.25; PIN_NUMBER "H1" at -310.914,49.22 h0.25; PIN_NUMBER "R6" at -308.414,52.719 h0.25; PIN_NUMBER "L1" at -310.914,50.719 h0.25; PIN_NUMBER "J22" at -300.516,49.719 h0.25; PIN_NUMBER "J1" at -310.914,49.719 h0.25; PIN_NUMBER "H6" at -308.414,49.22 h0.25; PIN_NUMBER "C17" at -303.016,46.719 h0.25; PIN_NUMBER "F3" at -309.914,48.219 h0.25; PIN_NUMBER "AD24" at -299.617,57.22 h0.25; PIN_NUMBER "T4" at -309.414,53.22 h0.25; PIN_NUMBER "Y3" at -309.914,55.22 h0.25; PIN_NUMBER "AB22" at -300.618,56.219 h0.25; PIN_NUMBER "J2" at -310.414,49.719 h0.25; PIN_NUMBER "W1" at -310.914,54.719 h0.25; PIN_NUMBER "P1" at -310.914,52.219 h0.25; PIN_NUMBER "H2" at -310.414,49.22 h0.25; PIN_NUMBER "U3" at -309.914,53.719 h0.25; PIN_NUMBER "E2" at -310.414,47.719 h0.25; PIN_NUMBER "AE22" at -300.618,57.719 h0.25; PIN_NUMBER "P5" at -308.914,52.219 h0.25; PIN_NUMBER "AC21" at -301.118,56.719 h0.25; PIN_NUMBER "F2" at -310.414,48.219 h0.25; PIN_NUMBER "G2" at -310.414,48.719 h0.25; PIN_NUMBER "G5" at -308.914,48.719 h0.25; PIN_NUMBER "P21" at -301.016,52.219 h0.25; PIN_NUMBER "Y1" at -310.914,55.22 h0.25; PIN_NUMBER "AC11" at -306.117,56.719 h0.25; PIN_NUMBER "H5" at -308.914,49.22 h0.25; PIN_NUMBER "AB10" at -306.618,56.219 h0.25; PIN_NUMBER "H25" at -299.016,49.22 h0.25; PIN_NUMBER "E3" at -309.914,47.719 h0.25; PIN_NUMBER "F24" at -299.516,48.219 h0.25; PIN_NUMBER "R5" at -308.914,52.719 h0.25; PIN_NUMBER "F25" at -299.016,48.219 h0.25; PIN_NUMBER "R3" at -309.914,52.719 h0.25; PIN_NUMBER "G24" at -299.516,48.719 h0.25; PIN_NUMBER "U22" at -300.516,53.719 h0.25; PIN_NUMBER "E25" at -299.016,47.719 h0.25; PIN_NUMBER "L6" at -308.414,50.719 h0.25; PIN_NUMBER "V24" at -299.516,54.219 h0.25; PIN_NUMBER "D12" at -305.516,47.22 h0.25; PIN_NUMBER "P4" at -309.414,52.219 h0.25; PIN_NUMBER "W25" at -299.016,54.719 h0.25; PIN_NUMBER "E12" at -305.516,47.719 h0.25; PIN_NUMBER "M4" at -309.414,51.22 h0.25; PIN_NUMBER "W24" at -299.516,54.719 h0.25; PIN_NUMBER "B25" at -299.016,46.219 h0.25; PIN_NUMBER "Y2" at -310.414,55.22 h0.25; PIN_NUMBER "W7" at -307.914,54.719 h0.25; PIN_NUMBER "V9" at -306.914,54.219 h0.25; PIN_NUMBER "V18" at -302.516,54.219 h0.25; PIN_NUMBER "V16" at -303.516,54.219 h0.25; PIN_NUMBER "V13" at -305.016,54.219 h0.25; PIN_NUMBER "V11" at -306.016,54.219 h0.25; PIN_NUMBER "V10" at -306.516,54.219 h0.25; PIN_NUMBER "U8" at -307.414,53.719 h0.25; PIN_NUMBER "U19" at -302.016,53.719 h0.25; PIN_NUMBER "T8" at -307.414,53.22 h0.25; PIN_NUMBER "T18" at -302.516,53.22 h0.25; PIN_NUMBER "T17" at -303.016,53.22 h0.25; PIN_NUMBER "T16" at -303.516,53.22 h0.25; PIN_NUMBER "T14" at -304.516,53.22 h0.25; PIN_NUMBER "T13" at -305.016,53.22 h0.25; PIN_NUMBER "R20" at -301.516,52.719 h0.25; PIN_NUMBER "R18" at -302.516,52.719 h0.25; PIN_NUMBER "R15" at -304.016,52.719 h0.25; PIN_NUMBER "R13" at -305.016,52.719 h0.25; PIN_NUMBER "P7" at -307.914,52.219 h0.25; PIN_NUMBER "P13" at -305.016,52.219 h0.25; PIN_NUMBER "P10" at -306.516,52.219 h0.25; PIN_NUMBER "N15" at -304.016,51.719 h0.25; PIN_NUMBER "M8" at -307.414,51.22 h0.25; PIN_NUMBER "M7" at -307.914,51.22 h0.25; PIN_NUMBER "M18" at -302.516,51.22 h0.25; PIN_NUMBER "M17" at -303.016,51.22 h0.25; PIN_NUMBER "M13" at -305.016,51.22 h0.25; PIN_NUMBER "M12" at -305.516,51.22 h0.25; PIN_NUMBER "M10" at -306.516,51.22 h0.25; PIN_NUMBER "L20" at -301.516,50.719 h0.25; PIN_NUMBER "K7" at -307.914,50.219 h0.25; PIN_NUMBER "K19" at -302.016,50.219 h0.25; PIN_NUMBER "K15" at -304.016,50.219 h0.25; PIN_NUMBER "K13" at -305.016,50.219 h0.25; PIN_NUMBER "J7" at -307.914,49.719 h0.25; PIN_NUMBER "J13" at -305.016,49.719 h0.25; PIN_NUMBER "H20" at -301.516,49.22 h0.25; PIN_NUMBER "H18" at -302.516,49.22 h0.25; PIN_NUMBER "H16" at -303.516,49.22 h0.25; PIN_NUMBER "H13" at -305.016,49.22 h0.25; PIN_NUMBER "G19" at -302.016,48.719 h0.25; PIN_NUMBER "G13" at -305.016,48.719 h0.25; PIN_NUMBER "F13" at -305.016,48.219 h0.25; PIN_NUMBER "AE8" at -307.516,57.719 h0.25; PIN_NUMBER "AE24" at -299.617,57.719 h0.25; PIN_NUMBER "AE16" at -303.617,57.719 h0.25; PIN_NUMBER "AE12" at -305.617,57.719 h0.25; PIN_NUMBER "AE1" at -311.016,57.719 h0.25; PIN_NUMBER "AD9" at -307.016,57.22 h0.25; PIN_NUMBER "AD16" at -303.617,57.22 h0.25; PIN_NUMBER "AD12" at -305.617,57.22 h0.25; PIN_NUMBER "AD1" at -311.016,57.22 h0.25; PIN_NUMBER "AB9" at -307.016,56.219 h0.25; PIN_NUMBER "AA11" at -306.117,55.719 h0.25; PIN_NUMBER "A25" at -299.016,45.719 h0.25; PIN_NUMBER "A24" at -299.516,45.719 h0.25; PIN_NUMBER "A1" at -310.914,45.719 h0.25; PIN_NUMBER "AD25" at -299.118,57.22 h0.25; PIN_NUMBER "AE25" at -299.118,57.719 h0.25; PIN_NUMBER "C11" at -306.016,46.719 h0.25; PIN_NUMBER "N6" at -308.414,51.719 h0.25; PIN_NUMBER "Y25" at -299.016,55.22 h0.25; PIN_NUMBER "B10" at -306.516,46.219 h0.25; PIN_NUMBER "F4" at -309.414,48.219 h0.25; PIN_NUMBER "Y24" at -299.516,55.22 h0.25; PIN_NUMBER "A10" at -306.516,45.719 h0.25; PIN_NUMBER "E1" at -310.914,47.719 h0.25; PIN_NUMBER "Y23" at -300.016,55.22 h0.25; PIN_NUMBER "A11" at -306.016,45.719 h0.25; PIN_NUMBER "W5" at -308.914,54.719 h0.25; PIN_NUMBER "AA25" at -299.118,55.719 h0.25; PIN_NUMBER "B11" at -306.016,46.219 h0.25; PIN_NUMBER "G1" at -310.914,48.719 h0.25; PIN_NUMBER "V21" at -301.016,54.219 h0.25; PIN_NUMBER "V2" at -310.414,54.219 h0.25; PIN_NUMBER "W21" at -301.016,54.719 h0.25; PIN_NUMBER "R2" at -310.414,52.719 h0.25; PIN_NUMBER "D25" at -299.016,47.22 h0.25; PIN_NUMBER "V20" at -301.516,54.219 h0.25; PIN_NUMBER "AA23" at -300.118,55.719 h0.25; PIN_NUMBER "AB25" at -299.118,56.219 h0.25; PIN_NUMBER "AA24" at -299.617,55.719 h0.25; PIN_NUMBER "C15" at -304.016,46.719 h0.25; PIN_NUMBER "B22" at -300.516,46.219 h0.25; PIN_NUMBER "Y22" at -300.516,55.22 h0.25; PIN_NUMBER "E15" at -304.016,47.719 h0.25; PIN_NUMBER "AA21" at -301.118,55.719 h0.25; PIN_NUMBER "AE21" at -301.118,57.719 h0.25; PIN_NUMBER "AE14" at -304.618,57.719 h0.25; PIN_NUMBER "AD23" at -300.118,57.22 h0.25; PIN_NUMBER "AD22" at -300.618,57.22 h0.25; PIN_NUMBER "AE23" at -300.118,57.719 h0.25; PIN_NUMBER "AD14" at -304.618,57.22 h0.25; PIN_NUMBER "AB20" at -301.617,56.219 h0.25; PIN_NUMBER "AA19" at -302.118,55.719 h0.25; PIN_NUMBER "AA14" at -304.618,55.719 h0.25; PIN_NUMBER "Y18" at -302.516,55.22 h0.25; PIN_NUMBER "AB14" at -304.618,56.219 h0.25; PIN_NUMBER "AA18" at -302.618,55.719 h0.25; PIN_NUMBER "AC15" at -304.118,56.719 h0.25; PIN_NUMBER "B16" at -303.516,46.219 h0.25; PIN_NUMBER "R21" at -301.016,52.719 h0.25; PIN_NUMBER "T22" at -300.516,53.22 h0.25; PIN_NUMBER "T25" at -299.016,53.22 h0.25; PIN_NUMBER "E21" at -301.016,47.719 h0.25; PIN_NUMBER "U23" at -300.016,53.719 h0.25; PIN_NUMBER "J23" at -300.016,49.719 h0.25; PIN_NUMBER "J25" at -299.016,49.719 h0.25; PIN_NUMBER "M24" at -299.516,51.22 h0.25; PIN_NUMBER "F18" at -302.516,48.219 h0.25; PIN_NUMBER "F22" at -300.516,48.219 h0.25; PIN_NUMBER "N24" at -299.516,51.719 h0.25; PIN_NUMBER "A15" at -304.016,45.719 h0.25; PIN_NUMBER "B15" at -304.016,46.219 h0.25; PIN_NUMBER "N25" at -299.016,51.719 h0.25; PIN_NUMBER "T24" at -299.516,53.22 h0.25; PIN_NUMBER "L25" at -299.016,50.719 h0.25; PIN_NUMBER "AB1" at -311.016,56.219 h0.25; PIN_NUMBER "D2" at -310.414,47.22 h0.25; PIN_NUMBER "D16" at -303.516,47.22 h0.25; PIN_NUMBER "A16" at -303.516,45.719 h0.25; PIN_NUMBER "D17" at -303.016,47.22 h0.25; PIN_NUMBER "B2" at -310.414,46.219 h0.25; PIN_NUMBER "A3" at -309.914,45.719 h0.25; PIN_NUMBER "AD8" at -307.516,57.22 h0.25; PIN_NUMBER "AE7" at -308.016,57.719 h0.25; PIN_NUMBER "AC5" at -309.016,56.719 h0.25; PIN_NUMBER "AE6" at -308.516,57.719 h0.25; PIN_NUMBER "C13" at -305.016,46.719 h0.25; PIN_NUMBER "AA5" at -309.016,55.719 h0.25; PIN_NUMBER "AD3" at -310.016,57.22 h0.25; PIN_NUMBER "Y8" at -307.414,55.22 h0.25; PIN_NUMBER "AB6" at -308.516,56.219 h0.25; PIN_NUMBER "AC6" at -308.516,56.719 h0.25; PIN_NUMBER "AE5" at -309.016,57.719 h0.25; PIN_NUMBER "AA7" at -308.016,55.719 h0.25; PIN_NUMBER "AA8" at -307.516,55.719 h0.25; PIN_NUMBER "AB4" at -309.516,56.219 h0.25; PIN_NUMBER "AD7" at -308.016,57.22 h0.25; PIN_NUMBER "AD6" at -308.516,57.22 h0.25; PIN_NUMBER "Y6" at -308.414,55.22 h0.25; PIN_NUMBER "H24" at -299.516,49.22 h0.25; PIN_NUMBER "A13" at -305.016,45.719 h0.25; PIN_NUMBER "K25" at -299.016,50.219 h0.25; PIN_NUMBER "B7" at -307.914,46.219 h0.25; PIN_NUMBER "P25" at -299.016,52.219 h0.25; PIN_NUMBER "L24" at -299.516,50.719 h0.25; PIN_NUMBER "L23" at -300.016,50.719 h0.25; PIN_NUMBER "C5" at -308.914,46.719 h0.25; PIN_NUMBER "B4" at -309.414,46.219 h0.25; PIN_NUMBER "B3" at -309.914,46.219 h0.25; PIN_NUMBER "D6" at -308.414,47.22 h0.25; PIN_NUMBER "B5" at -308.914,46.219 h0.25; PIN_NUMBER "A5" at -308.914,45.719 h0.25; PIN_NUMBER "B23" at -300.016,46.219 h0.25; PIN_NUMBER "A23" at -300.016,45.719 h0.25; PIN_NUMBER "AD15" at -304.118,57.22 h0.25; PIN_NUMBER "AD13" at -305.118,57.22 h0.25; PIN_NUMBER "AB12" at -305.617,56.219 h0.25; PIN_NUMBER "AE13" at -305.118,57.719 h0.25; PIN_NUMBER "AC13" at -305.118,56.719 h0.25; PIN_NUMBER "AE15" at -304.118,57.719 h0.25; PIN_NUMBER "B14" at -304.516,46.219 h0.25; PIN_NUMBER "U25" at -299.016,53.719 h0.25; PIN_NUMBER "U24" at -299.516,53.719 h0.25; PIN_NUMBER "AE3" at -310.016,57.719 h0.25; PIN_NUMBER "AD4" at -309.516,57.22 h0.25; PIN_NUMBER "AD5" at -309.016,57.22 h0.25; PIN_NUMBER "AE4" at -309.516,57.719 h0.25; PIN_NUMBER "P24" at -299.516,52.219 h0.25; PIN_NUMBER "P22" at -300.516,52.219 h0.25; PIN_NUMBER "R25" at -299.016,52.719 h0.25; PIN_NUMBER "R24" at -299.516,52.719 h0.25; PIN_NUMBER "A12" at -305.516,45.719 h0.25; PIN_NUMBER "N23" at -300.016,51.719 h0.25; PIN_NUMBER "R23" at -300.016,52.719 h0.25; PIN_NUMBER "B13" at -305.016,46.219 h0.25; PIN_NUMBER "A14" at -304.516,45.719 h0.25; ASSEMBLY_TOP "AM62x" at -304.965,53.37 h0.76; Bottom Overlay "A" at -312.077,45.623 h0.76; Bottom Overlay "C" at -312.585,46.766 h0.76; Bottom Overlay "E" at -312.585,47.909 h0.76; Bottom Overlay "G" at -312.585,49.052 h0.76; Bottom Overlay "J" at -312.712,50.068 h0.64; Bottom Overlay "L" at -312.585,51.084 h0.64; Bottom Overlay "N" at -312.585,52.1 h0.64; Bottom Overlay "R" at -312.585,53.116 h0.64; Bottom Overlay "U" at -312.585,54.259 h0.64; Bottom Overlay "W" at -312.585,55.275 h0.64; Bottom Overlay "AA" at -313.093,56.291 h0.64; Bottom Overlay "AC" at -313.22,57.307 h0.64; Bottom Overlay "AE" at -313.22,58.45 h0.64; Bottom Overlay "1" at -311.061,44.48 h0.64; Bottom Overlay "7" at -308.013,44.48 h0.64; Bottom Overlay "15" at -304.457,44.48 h0.64; Bottom Overlay "25" at -299.25,44.48 h0.64